# KiCad board handheld.kicad_pcb (continued)
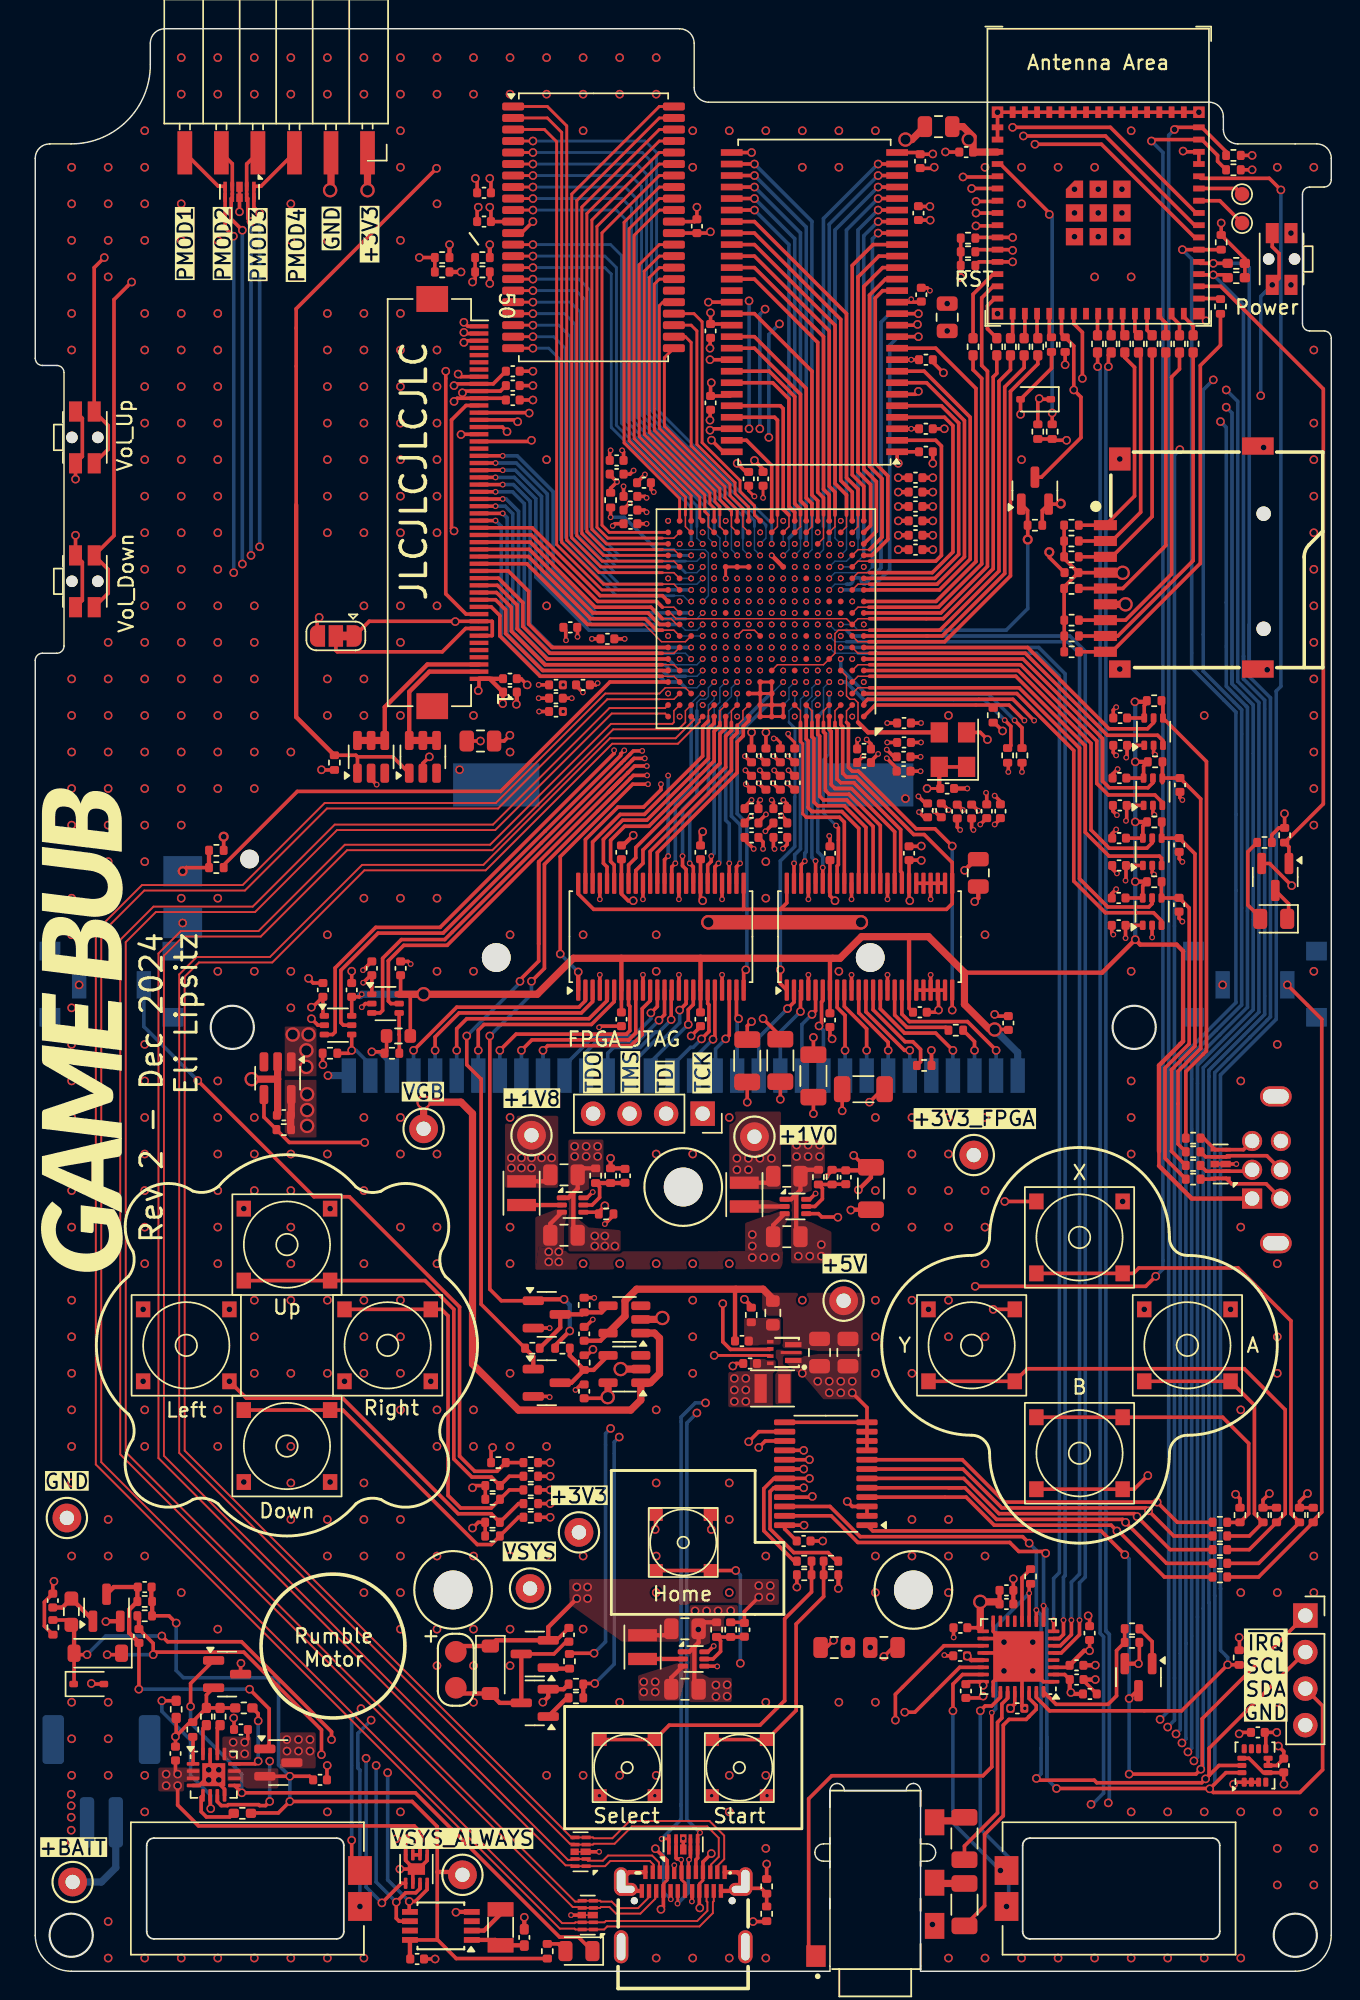
[diagram p0: board, top side]
## Routing (per net, layer and track width the routed paths; a pad name or vN(x,y) marks a point on that pad's centre or on a via; arc(x,y) is an arc through that point) (continued)
SRAM_IO7: length 29.9
  F.Cu (SIG) w0.2: v1(34.6,117.6) U1402.16
  B.Cu (SIG) w0.2: v3(45.6,98.4) 40.6,98.4 38.6,100.4 38.6,116.8 37.8,117.6 v1(34.6,117.6)
SRAM_IO8: length 20.8
  F.Cu (SIG) w0.1: U601.U13 47.6,100.4 47.6,101.2
  F.Cu (SIG) w0.2: U1402.29 43.39,117.6 43.04,117.25 43.04,107.09 47.25,102.88 47.25,102.13 47.6,101.78 47.6,101.2
SRAM_IO9: length 20.8
  F.Cu (SIG) w0.2: U1402.30 43.39,118.4 42.69,117.7 42.69,106.94 46.9,102.73 46.9,101.98 47.2,101.68 U601.V14
SRAM_IO10: length 22.7
  F.Cu (SIG) w0.1: 46.8,101.2 46.8,100.4 U601.U14
  F.Cu (SIG) w0.2: U1402.31 43.39,119.2 42.34,118.15 42.34,106.8 46.55,102.59 46.55,101.45 46.8,101.2
SRAM_IO11: length 22.6
  F.Cu (SIG) w0.2: U601.V15 46.2,101 46.2,102.44 41.99,106.65 41.99,118.6 43.39,120 U1402.32
SRAM_IO12: length 25
  F.Cu (SIG) w0.2: U1402.35 43.39,122.4 41.64,120.65 41.64,106.51 45.6,102.55 U601.V16
SRAM_IO13: length 26.9
  F.Cu (SIG) w0.1: 45.2,101.2 45.2,100.4 U601.U16
  F.Cu (SIG) w0.2: 45.2,101.2 45.2,102.45 41.29,106.36 41.29,121.1 43.39,123.2 U1402.36
SRAM_IO14: length 26.8
  F.Cu (SIG) w0.2: U601.V17 44.8,102.36 40.94,106.22 40.94,121.55 43.39,124 U1402.37
SRAM_IO15: length 31.8
  F.Cu (SIG) w0.2: U601.U18 39.9,100 39.4,100.5 39.4,120.81 43.39,124.8 U1402.38
SRAM_~{CE}: length 39.3
  F.Cu (SIG) w0.2: v1(34.6,125.6) U1402.6
  B.Cu (SIG) w0.1: v3(50.4,98.4) 50,98.8 50,100.4
  B.Cu (SIG) w0.2: v1(34.6,125.6) 41.8,125.6 42.5,124.9 42.5,108.31 50,100.81 50,100.4
SRAM_~{LB}: length 34.3
  F.Cu (SIG) w0.1: U601.U17 44.4,99.6 43.6,99.6
  F.Cu (SIG) w0.2: U1402.39 43.39,125.6 39.05,121.26 39.05,100.35 39.8,99.6 43.6,99.6
SRAM_~{OE}: length 37.4
  F.Cu (SIG) w0.1: 43.6,98.8 44.4,98.8 U601.R17
  F.Cu (SIG) w0.2: U1402.41 43.39,127.2 38.35,122.16 38.35,100.05 39.6,98.8 43.6,98.8
SRAM_~{UB}: length 34.9
  F.Cu (SIG) w0.2: U601.T18 39.71,99.2 38.7,100.21 38.7,121.71 43.39,126.4 U1402.40
SRAM_~{WE}: length 30.4
  F.Cu (SIG) w0.2: v1(34.6,116.8) U1402.17
  B.Cu (SIG) w0.1: 45.2,98 46,98 v3(46.4,98.4)
  B.Cu (SIG) w0.2: v1(34.6,116.8) 37.6,116.8 38.25,116.15 38.25,100.26 40.51,98 45.2,98
SW_Cartridge: length 36.3
  F.Cu (SIG) w0.25: U601.D18 39.95,89.6 32.35,82 18.22,82 13.1,76.88 R1803.1
USB_D+: length 138.9
  F.Cu (SIG) w0.2: 44.93,7.73 44.85,7.8 ; J501.B6 45.17,6.13 44.93,6.37 J501.A6 44.93,7.73 v3(44.91,7.75)
  F.Cu (SIG) w0.25: D501.9 D501.2 44.55,7.86 44.61,7.8 44.85,7.8 ; R402.2 74.61,112.31 v1(74.61,111.52)
  In2.Cu (SIG) w0.25: v3(44.91,7.75) 44.91,7.88 46.18,9.15 48.7,9.15 53.43,13.89 56.2,13.89 56.2,13.89 62.18,13.89 64.07,12 72.6,12 72.78,12.18 74.12,12.18 v1(74.6,11.7)
  B.Cu (SIG) w0.2: 44.85,7.8 44.9,7.85
  B.Cu (SIG) w0.25: 74.43,23.65 74.64,23.44 ; 74.43,23.65 74.43,111.35 v1(74.61,111.52) ; 74.43,23.65 74.68,23.41 74.68,11.78 v1(74.6,11.7)
USB_D-: length 139
  F.Cu (SIG) w0.2: v3(44.65,4.7) 44.67,4.72 J501.B7 ; v3(45.46,7.75) 45.42,7.72 J501.A7
  F.Cu (SIG) w0.25: R406.2 73.86,112.49 v1(73.86,111.52) ; D501.7 D501.4 45.55,7.9
  In2.Cu (SIG) w0.25: v1(73.4,11.6) 63.9,11.6 62.01,13.49 53.6,13.49 48.87,8.75 46.45,8.75 v3(45.46,7.75)
  B.Cu (SIG) w0.25: 45.4,7.75 45.4,5.45 v3(44.65,4.7) ; v1(73.4,11.6) 73.5,11.6 74.28,12.38 74.28,23.24 74.03,23.48 74.03,111.35 v1(73.86,111.52)
USB_SBU1: length 100.6
  F.Cu (SIG) w0.2: D501.6 46.05,9.46 v3(46.22,9.63)
  F.Cu (SIG) w0.25: D501.6 D501.5 46.05,7.86 45.93,7.74 J501.A8 ; R1201.1 v3(68.6,83.35)
  In2.Cu (SIG) w0.25: v1(46,38.8) 46.4,38.4 67.5,38.4 68.8,39.7 68.8,83.15 v3(68.6,83.35)
  B.Cu (SIG) w0.25: v3(46.22,9.63) 45.3,10.55 45.3,38.1 v1(46,38.8)
USB_SBU2: length 105.2
  F.Cu (SIG) w0.2: v3(43.55,9.2) D501.10 ; J501.B8 44.17,5.02 v3(44.19,5)
  F.Cu (SIG) w0.25: 67.65,83.99 v3(67.65,83.35) ; D501.1 D501.10
  In2.Cu (SIG) w0.25: v1(46.6,39.5) 47.3,38.8 67.2,38.8 68.4,40 68.4,82.6 v3(67.65,83.35)
  B.Cu (SIG) w0.2: v3(43.55,9.2) 43.66,9.09 43.66,5.52 v3(44.19,5)
  B.Cu (SIG) w0.25: v3(43.55,9.2) 44.9,10.55 44.9,38.51 45.89,39.5 v1(46.6,39.5)
VGB: length 199.3
  F.Cu (SIG) w0.25: 77.37,88.22 77.1,87.96 U2004.6 C2010.2 ; R2006.1 77.06,83.76 U2002.6 C2006.2 ; R2005.1 77,75.42 U2001.6 C2004.2 ; 78.12,56.98 78.12,55.98 ; 40.75,66.74 40.75,68.25 ; R2007.1 77,79.58 U2003.6 C2008.2 ; U1904.18 60.75,66.92 C1911.2 ; C1905.2 25.4,68 U1901.6 25.88,67.9 26.08,67.7 R1904.1 ; v2(66.7,65.45) 67.62,65.45 C1907.2 ; C1901.2 46.25,68.25 ; v3(22.7,67.9) 22.52,67.72 C1908.2 U1903.6 ; C1910.2 U1904.7
  F.Cu (SIG) w0.3: J2001.1 80.4,53.7 78.12,55.98 ; 55.45,70.4 55.25,70.2 U1904.7 ; v1(76.47,79.88) R2007.1 ; v1(76.47,75.72) 77.28,75.72 R2005.1 ; v1(76.45,88.22) 77.37,88.22 ; U1904.18 60.75,72 ; 78.12,56.98 78.12,62.95 79.8,64.63 79.8,70.9 79.35,71.35 76.82,71.35 v1(76.47,71.7) 74.18,69.4 64.6,69.4 ; U1902.7 40.75,70.4 ; v1(76.47,84.05) R2006.1 ; U1902.18 46.25,70.4
  F.Cu (SIG) w0.5: U1801.1 43.05,44.35 43.4,44 43.4,41.54 42.76,40.9 U1802.1 42.1,39.7 41.4,39 33.6,39 30.4,42.2 30.4,59.6 29.6,60.4 v2(27,60.4) TP1801.1 ; U1901.6 34.9,67.9 37.4,70.4 55.95,70.4 57.45,71.9 62.1,71.9 64.6,69.4 64.6,67.2 66.33,65.47
  In2.Cu (SIG) w0.5: v2(27,67.9) v2(27,60.4)
  B.Cu (SIG) w0.3: v1(76.45,88.22) 76.47,88.2 v1(76.47,84.05) v1(76.47,79.88) v1(76.47,75.72) v1(76.47,71.7)
  B.Cu (SIG) w0.5: J1901.1 68.3,63.85 v2(66.7,65.45) ; 22.6,67.8 v3(22.7,67.9) 26.8,67.9
Vibrate_En: length 110.2
  F.Cu (SIG) w0.25: R1504.1 38.15,20 v1(38.9,20) ; U601.B1 57.6,88.13 57.87,88.4 67.97,88.4 v3(69.45,86.92)
  F.Cu (SIG) w0.3: R1503.1 R1504.1
  In2.Cu (SIG) w0.25: v3(69.45,86.92) 69.6,86.77 69.6,38.68 68.52,37.6 41.07,37.6 v1(40.6,37.12)
  B.Cu (SIG) w0.25: v1(40.6,37.12) 40.25,36.78 40.25,21.35 v1(38.9,20)
VSYS: length 62.5
  F.Cu (SIG) w0.25: U304.4 47.4,21.2 v3(47.41,21.18) ; v1(1.3,27.1) 1.22,27.02 C205.1 0.64,25.66 0.64,23.99 R211.1 ; 40.2,52.53 v3(39.6,51.93) ; C1706.2 64.87,20.12 U1701.24 v1(65.9,19.87)
  F.Cu (SIG) w0.3: U1701.21 65.08,21.62 C1708.2 ; U303.3 35.81,51.95 C309.1 ; U304.3 44.22,20.4 C312.1 ; C302.1 51.3,51.85 U301.3
  In2.Cu (SIG) w0.25: v3(39.6,51.93) 38.33,51.93 v1(36.4,50)
  In3.Cu (PWR) w0.5: TP203.1 34.4,24.4 ; v1(1.3,27.1) 3.2,25.2 16.7,25.2 17.7,24.2 ; v1(65.9,19.87) 64.8,20.97 v1(64.8,21.9) 64.13,22.57 58.37,22.57 58.3,22.5 v1(58.05,22.5) v1(56.5,22.5) 54.7,20.7 47.9,20.7 v3(47.41,21.18) 47.4,21.2 44.4,21.2
  vias: v1(17.49,16.1) v1(17.5,15.3) v1(18.3,16.1) v1(18.3,15.3) v1(19.1,16.1) v1(19.1,15.3) v1(35.7,50) v1(35.7,49.3) v1(36.4,49.3) v1(42.3,20.11) v1(42.3,19.41) v1(43.1,20.11) v1(43.1,19.41) v1(48.6,41.2) v1(48.6,40.4) v1(48.6,39.6) v1(49.4,41.2) v1(49.4,40.4) v1(49.4,39.6) v1(49.85,51.2) v1(49.85,50.4) v1(49.85,49.6) v1(50.65,49.6) v1(51.45,49.6)
VSYS_ALWAYS: length 61.8
  F.Cu (SIG) w0.25: Q202.2 v1(17.7,13.55) 19.07,13.55 C203.1 ; 27.95,2.18 27.97,2.18 29.27,0.88 R207.1 ; 27.95,2.18 U1502.8 ; 27.95,2.18 27.95,10.05 26.2,11.8 v1(17.7,11.8) 16.9,11 15,11 ; v1(9.8,24.2) 9.3,24.7 R209.1
  F.Cu (SIG) w0.3: 27.95,6.9 29.5,6.9 TP202.1 ; C1504.2 26.05,0.87 U1502.8 ; 8.13,24.7 8.13,25.69 ; 8.07,25.75 8.07,26.7
  B.Cu (SIG) w0.25: v1(17.7,11.8) v1(17.7,13.55) 16.92,14.34 16.92,20.19 16.7,20.4 10.3,20.4 9.8,20.9 v1(9.8,24.2)
~{POWER_SW}: length 1.7
  F.Cu (SIG) w0.25: R213.2 70.5,113.71 U401.19
~{VBUS_PGOOD}: length 184.7
  F.Cu (SIG) w0.25: v1(16.3,11.8) 16.01,11.51 15.6,11.51 15.53,11.57 13.43,11.57 13.36,11.51 12.94,11.51 12.66,11.79 U202.7 ; U401.21 72.2,114.5 72.8,113.9 v1(72.8,110.7)
  In2.Cu (SIG) w0.25: v1(79.72,15.87) 77.89,15.87 77.47,16.29 21.35,16.29 20.79,16.84 17.49,16.84 16.3,15.65 v1(16.3,14.6) ; v1(72.8,110.7) 72.9,110.6 v1(81.9,110.6)
  B.Cu (SIG) w0.25: v1(79.72,15.87) 80,16.14 80,63.28 83.88,67.16 83.88,87.67 81.2,90.35 81.2,109.3 ; 81.2,109.3 81.2,109.9 v1(81.9,110.6) ; 81.2,109.3 81.2,109.7 ; v1(16.3,11.8) v1(16.3,14.6)
~{Vibrate_Brake}: length 107.4
  F.Cu (SIG) w0.25: v1(38.85,22.1) 37.19,22.1 R1502.1 ; U601.A1 58.4,88 67.7,88 v3(68.77,86.93)
  In2.Cu (SIG) w0.25: v1(40,37.72) 40.28,38 67.9,38 69.2,39.3 69.2,86.5 v3(68.77,86.93)
  B.Cu (SIG) w0.25: v1(38.85,22.1) 39.65,22.9 39.65,37.38 v1(40,37.72)

## Copper pours and planes (outline as drawn; the poured copper is in the pictures)
+1V0 on F.Cu (SIG): 48.25,54.35 51.85,54.35 51.85,59.75 48.25,59.75
+1V0 on In3.Cu (PWR): 52.4,87.6 53.2,88.4 53.2,90 54.03,90.8 54.03,96.4 52.35,98 51,98 51,104 49.2,104 49.2,87.7 47.6,84.1 47.6,77.4 48,53.7 57.8,53.7 54.8,77.4 53.7,84.1
+1V8 on F.Cu (SIG): 32.66,54.45 36.36,54.45 36.36,59.45 32.66,59.45
+1V8 on In3.Cu (PWR): 42.1,55.4 42.1,58.7 37,58.7 37,71 39.4,78.4 39.4,87.2 45.6,89.8 48,89 49.2,88.95 49.2,96.65 47.6,96.65 47.6,94.26 47,93.8 46.85,91.85 46,91.85 43.55,92.8 36.8,92.85 32.2,85.7 32.2,55.4
+1V8 on In3.Cu (PWR): 49.2,95 48.4,95 48.4,90.8 49.2,90.8
+3V3 on F.Cu (SIG): 40.8,22.9 44.77,22.9 44.77,25.46 51.7,25.46 51.7,27.26 40.7,27.25 37.1,27.25 37.15,25.5
+3V3 on F.Cu (SIG): 17.35,61.95 17.35,57.95 19.55,57.95 19.55,61.95
+3V3 on In3.Cu (PWR): 63.45,136.45 63.45,123.55 67.35,123.6 69,113 69.75,96.75 70.9,89.85 76.32,88.2 76.32,68.97 76.7,42.6 94,42.6 93.8,64.8 93.5,136.25
+3V3 on In3.Cu (PWR): 32.5,86.7 32.5,40 11.2,40 11.05,61.8 23,61.8 23.1,86.7
+3V3 on In3.Cu (PWR): -1.55,43 94,43 94,11.8 79.5,11.9 79.4,24.75 -1.55,24.75
+3V3 on In3.Cu (PWR): 23.4,118.8 35,118.7 35,94.4 36.8,92.85 32.2,85.7 23.05,85.65
+3V3_FPGA on F.Cu (SIG): 17.35,65.65 17.35,62.2 19.55,62.2 19.55,65.65
+3V3_FPGA on In3.Cu (PWR): -2.6,62 95.8,62 95.8,139 -2.6,139
+3V3_FPGA on In3.Cu (PWR): 58.2,49.4 77.9,47.1 77.6,62.6 56.2,62.8
+3V3_FPGA on In3.Cu (PWR): 42.3,102.5 59.3,102.5 59.3,85.5 42.3,85.5
+5V on F.Cu (SIG): 57.53,43.1 54.43,43.1 53.18,43.3 52,43.3 51.43,45 50.53,46 50.53,47.15 57.53,47.15
GND on F.Cu (SIG): 52.08,42.7 52.08,42.25 53.48,41.3 54.8,39.75 57.43,39.75 57.43,42.9 54.43,42.9 53.18,42.7
GND on F.Cu (SIG): 45.47,18.7 45.47,22 44.67,22 44.67,22.4 45.47,22.4 45.5,25.45 48.85,25.45 48.85,24.7 47.97,24.7 47.97,23.65 46.92,23.65 46.92,22.8 46.02,22.5 46.02,20.85 46.87,20.4 48.42,20.39 48.42,18.7
GND on F.Cu (SIG): 52.55,53.45 51.75,53.45 51.75,53.85 52.55,53.85 52.55,57.8 54.9,57.8 54.9,55.1 54,55.1 54,54.25 53.1,53.95 53.1,52.3 53.95,52.05 55.35,51.4 55.35,49.2 52.55,49.2
GND on F.Cu (SIG): 37.06,50.03 37.06,53.55 36.26,53.55 36.26,53.95 37.06,53.95 37.06,57.8 39.51,57.8 39.51,55.2 38.51,55.2 38.51,54.35 37.61,54.05 37.61,52.4 38.46,51.7 40.7,51.5 40.7,50.03
GND on B.Cu (SIG): 1.9,8.51 4.25,8.51 4.2,12.8 1.9,12.8
GND on In1.Cu (GND): 0,135 90.1,135 90.2,-0.2 0,0
GND on In4.Cu (GND): -0.2,134.8 90.1,135 90.2,0 0,0
VBUS on F.Cu (SIG): 13.01,16.31 13.01,14.66 15.01,14.66 15.01,16.31
VBUS on In3.Cu (PWR): 17.1,17.8 13.1,17.8 13.1,10.8 35.5,0 49.45,0 49.45,9.7 35.45,9.85
+BATT on F.Cu (SIG): 11.45,14.15 11.45,13.15 10.35,13.15 10.35,12.5 8.55,12.5 8.55,14.15
+BATT on B.Cu (SIG): 5.1,14.15 5.1,8.6 10.3,8.55 10.25,14.15
/Power Regulators/Boost_5V_FB on F.Cu (SIG): 51.83,45.4 51.83,43.55 50.45,43.55 50.05,43.45 49.28,43.45 49.28,45.4
/Power Regulators/Boost_5V_SW on F.Cu (SIG): 53.33,43.2 53.33,42.8 52.08,42.8 52.08,42.2 52.58,41.7 52.58,39.4 51.45,39.4 51.45,41.7 51.48,42.2 51.48,43.2
/Power Regulators/Buck_1V0_SW on F.Cu (SIG): 32.76,52.8 35.51,52.8 36.21,53.05 36.96,53.05 36.96,53.45 36.21,53.45 35.51,53.7 32.76,53.7
/Power Regulators/Buck_1V0_SW on F.Cu (SIG): 41.17,21.25 43.92,21.25 44.62,21.5 45.37,21.5 45.37,21.9 44.62,21.9 43.92,22.15 41.17,22.15
/Power Regulators/Buck_1V0_SW on F.Cu (SIG): 48.25,52.7 51,52.7 51.7,52.95 52.45,52.95 52.45,53.35 51.7,53.35 51,53.6 48.25,53.6
VSYS on F.Cu (SIG): 34.76,48.75 51.8,48.8 51.95,49.15 52,50.05 37.06,50.03 35,50.35
VSYS on F.Cu (SIG): 45.37,21.4 45.37,21 44.8,18.81 44.4,18.8 41.94,18.8 41.9,20.55 44.62,21.4
VSYS on F.Cu (SIG): 36.96,52.95 36.96,52.55 36.76,51.65 36.76,48.75 34.76,48.75 34.76,52.4 36.21,52.95
VSYS on F.Cu (SIG): 51.48,42.7 49.68,42.7 49.68,41.7 48.18,41.7 48.18,39.2 51.28,39.2 51.28,41.55 51.48,41.75
VSYS on F.Cu (SIG): 17,14.1 17,16.6 19.5,16.6 19.5,14.1
VSYS on F.Cu (SIG): 52.45,52.85 52.45,52.45 51.95,51.55 51.95,49.15 49.35,49.15 49.35,52 51.7,52.85
VSYS on In3.Cu (PWR): 47.8,47.8 34.7,47.8 34.7,51.8 52,51.8 52,39 47.8,39
VSYS on In3.Cu (PWR): 17,14.7 45.4,14.7 45.4,23.4 48.8,23.4 48.8,26.8 39.3,26.8 38.7,24.75 17.1,24.7
VSYS on In3.Cu (PWR): 48.8,26.8 49,34.6 52,37.58 52,39 47.8,39 39.3,26.8
VSYS_ALWAYS on F.Cu (SIG): 13.26,12.71 16.9,12.7 16.9,14.1 13.26,14.11

## Text on the board
B.Silkscreen: ~{IRQ} / SCL / SDA / GND
F.Silkscreen: RST | Rumble / Motor | ~{IRQ} / SCL / SDA / GND | TDO | TMS | TDI | TCK | PMOD1 | PMOD2 | PMOD3 | PMOD4 | GND | +3V3 | Rev 2 - Dec 2024 / Eli Lipsitz | JLCJLCJLCJLC
